# Altium PCB Master.PcbDoc (part 1 of 2)
Units mm, origin at the board's own origin, x right, y up, seen from the top; angles counter-clockwise.
Board outline 120 x 100 mm, 2 copper layers (Top Layer, Bottom Layer); 129 components, 81 nets, 454 pads, 135 vias.
Unrouted connection lines stored in the file: 6.
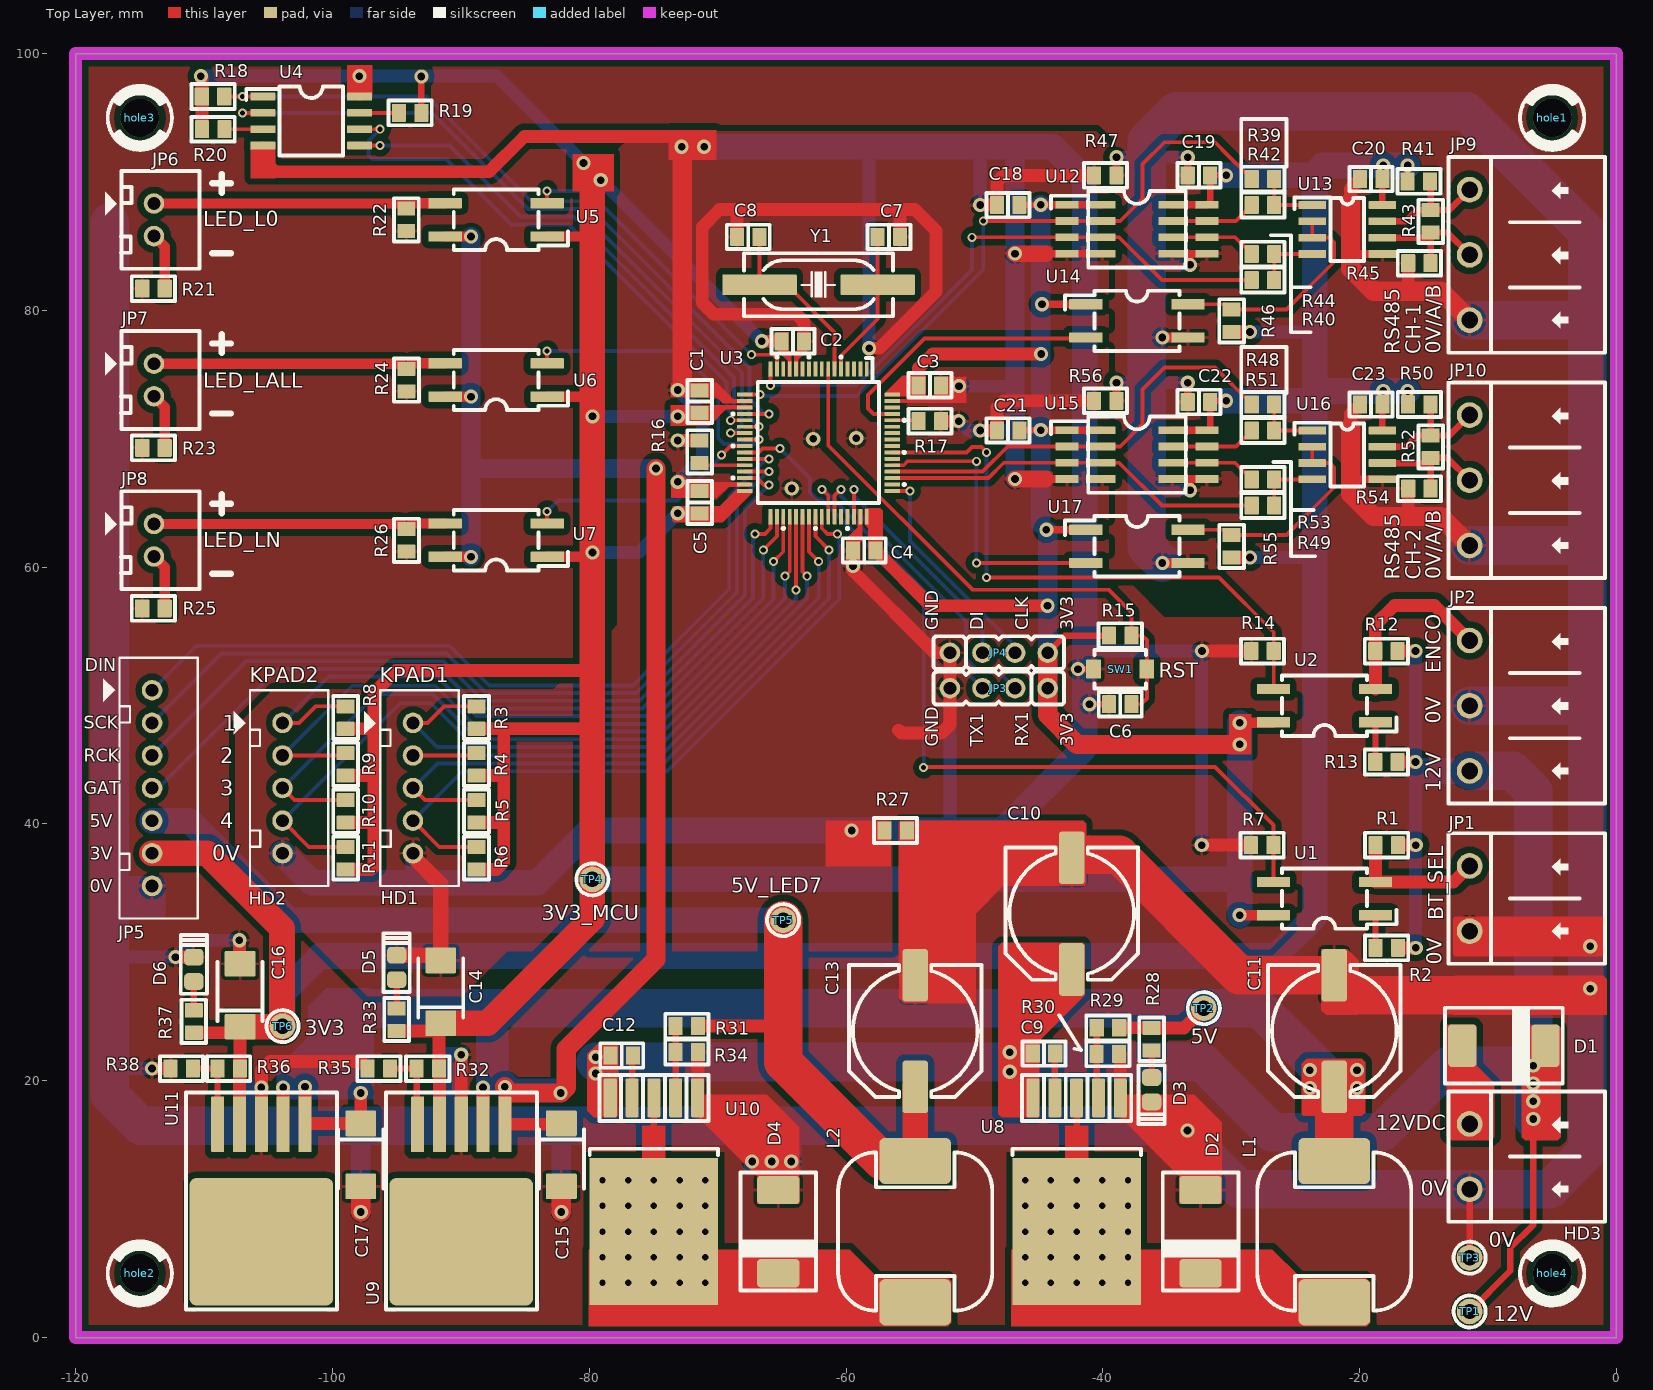
[diagram p0: Top Layer view]
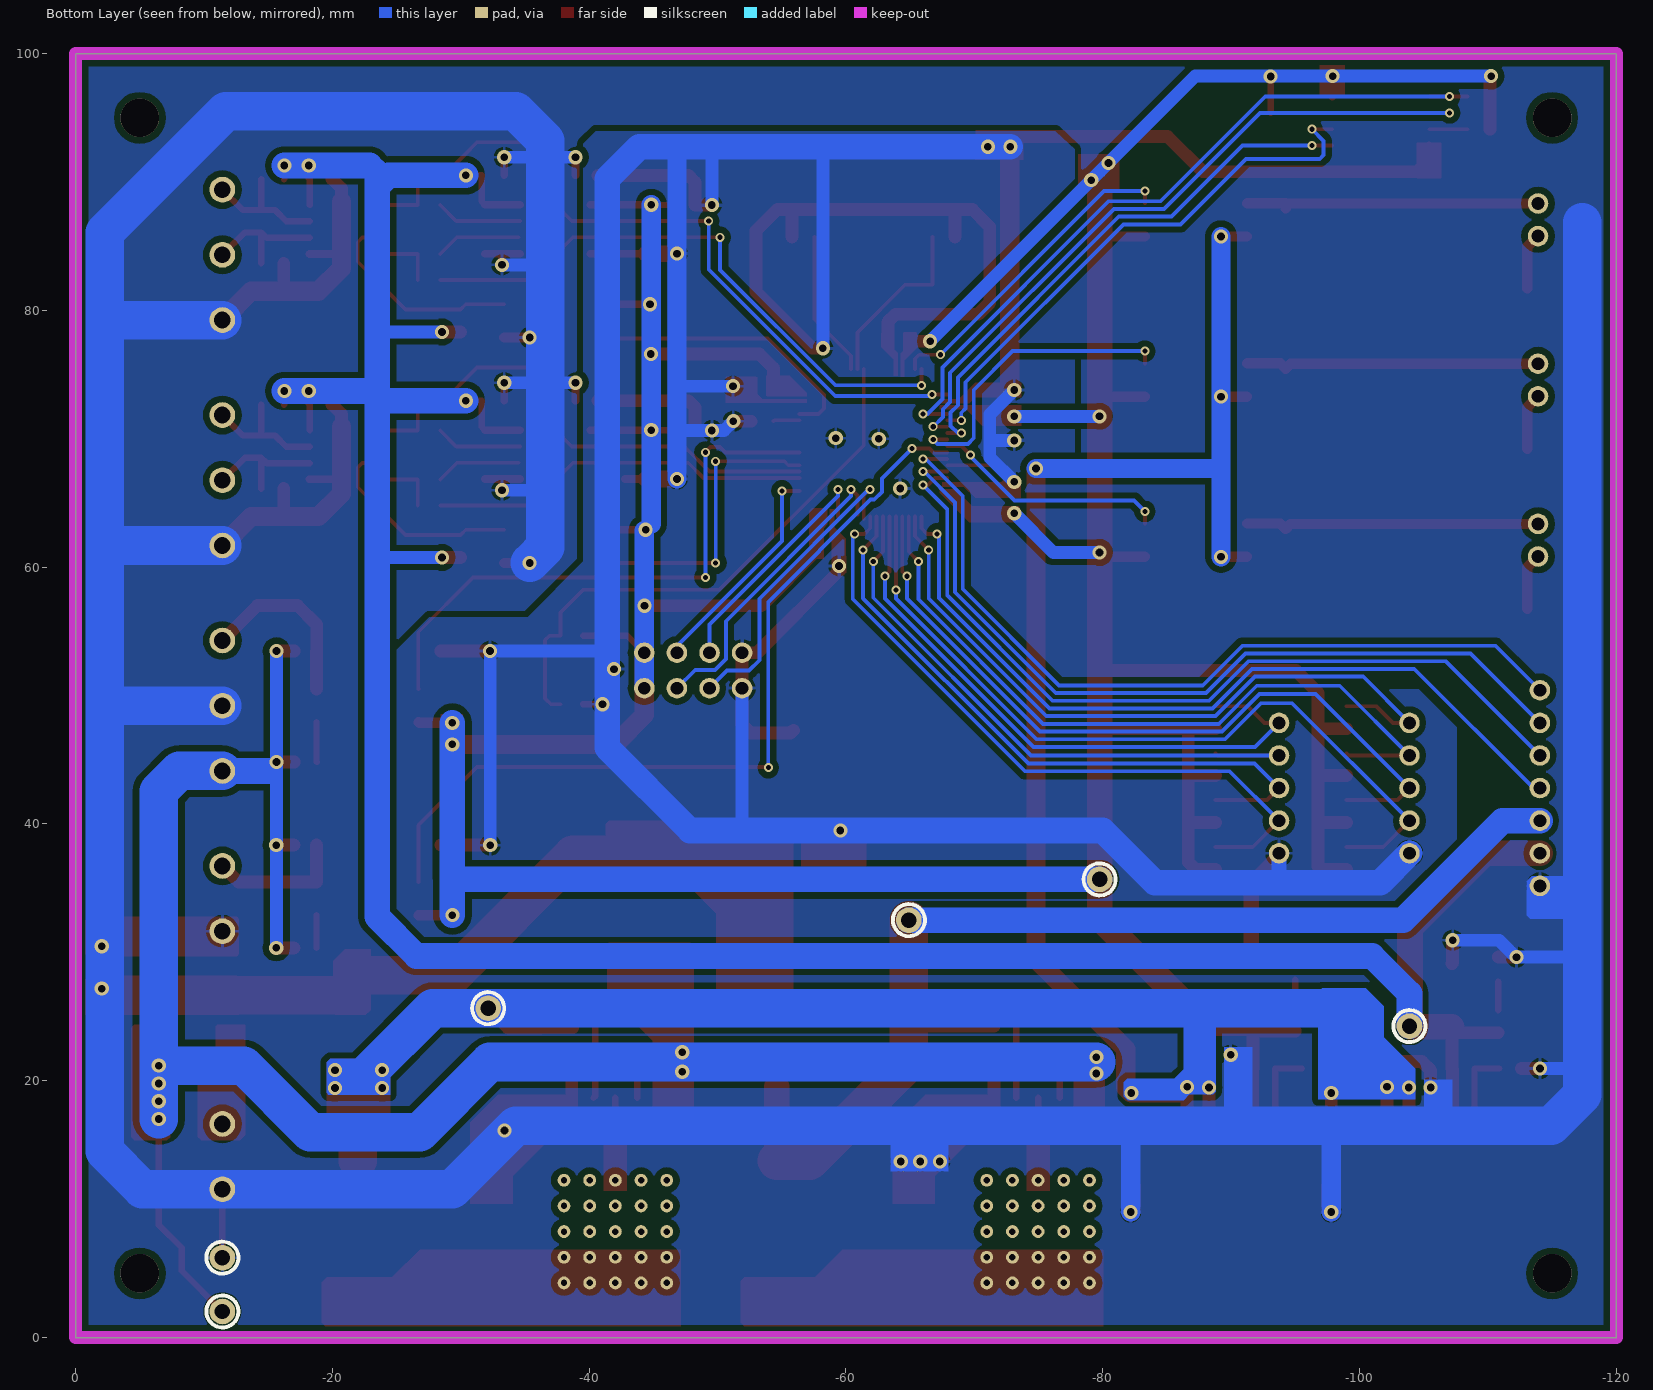
[diagram p1: Bottom Layer view, seen from below]

## Layer stack, top to bottom
Top Solder: solder mask 0.0102, Solder Resist, Dk 3.5
Top Layer: signal copper 0.0356
Dielectric 1: dielectric 0.32, FR-4, Dk 4.8
Bottom Layer: signal copper 0.0356
Bottom Solder: solder mask 0.0102, Solder Resist, Dk 3.5

## Board outline
-120,0 -120,100 0,100 0,0

## Design rules (kind name [scope] priority, off if disabled: settings)
Clearance [All] p1: gap=0.5 ignorepadtopadclearanceinfootprint=FALSE except(0.3: Arc-Arc Arc-Track Arc-SMDPad Arc-THPad Arc-Via Arc-Text Arc-Hole Track-Track Track-SMDPad Track-THPad Track-Via Track-Text Track-Hole SMDPad-SMDPad SMDPad-THPad SMDPad-Via SMDPad-Text SMDPad-Hole THPad-THPad THPad-Via THPad-Text THPad-Hole Via-Via Via-Text Via-Hole Text-Text Text-Hole)
PolygonConnect [All] p1: connectstyle=Relief reliefconductorwidth=0.254 reliefentries=4 polygonreliefangle="90 Angle" airgapwidth=0.254
RoutingVias RoutingVias_power [InNetClass('Power')] p1: holewidth=0.6 width=1.1 viastyle="Through Hole" minholewidth=0.6 minwidth=1.1 maxholewidth=0.6 maxwidth=1.1
RoutingVias RoutingVias_signal [All] p2: holewidth=0.4 width=0.7 viastyle="Through Hole" minholewidth=0.4 minwidth=0.7 maxholewidth=0.4 maxwidth=0.7
SolderMaskExpansion [All] p1: expansion=0.102 istentingtop=FALSE
Width Width_Power [InNetClass('Power')] p1: maxlimit=3 minlimit=0.3 preferedwidth=0.5
Width Width_signal [All] p2: maxlimit=0.5 minlimit=0.2 preferedwidth=0.3
30 further rules are at their usual default settings.

## Classes and differential pairs
net class Power: 3V3 3V3_MCU 5V 5V_LED7 12V BT_SEL Encoder GND_MCU GND_P LED_L0 LED_LALL LED_LN NetD1_1 NetJP6_2 NetJP7_2 NetJP8_2
component class RS485: C18 C19 C20 C21 C22 C23 JP9 JP10 R39 R40 R41 R42 R43 R44 R45 R46 R47 R48 R49 R50 R51 R52 R53 R54 R55 R56 U12 U13 U14 U15 U16 U17
component class Power: C9 C10 C11 C12 C13 C14 C15 C16 C17 D1 D2 D3 D4 D5 D6 HD3 L1 L2 R27 R28 R29 R30 R31 R32 R33 R34 R35 R36 R37 R38 TP1 TP2 TP3 TP4 TP5 TP6 U8 U9 U10 U11
component class Output: JP5 JP8 JP9 JP10 R21 R22 R23 R24 R25 R26 U5 U6 U7
component class MCU: C1 C2 C3 C4 C5 C6 C7 C8 hole1 hole2 hole3 hole4 JP3 JP4 R15 R16 R17 R18 R19 R20 SW1 U3 U4 Y1
component class Input: HD1 HD2 JP1 JP2 R1 R2 R3 R4 R5 R6 R7 R8 R9 R10 R11 R12 R13 R14 U1 U2

## Components (designator, comment, footprint, x,y, rotation, side; value= is the part's Value field where it differs from the comment)
C1 "0.1uF/25V" "Cap Ceramic 0805 SMD" -71.4,72.9 r270 top
C2 "0.1uF/25V" "Cap Ceramic 0805 SMD" -64.135,77.597 r180 top
C3 "0.1uF/25V" "Cap Ceramic 0805 SMD" -53.467,74.168 r180 top
C4 "0.1uF/25V" "Cap Ceramic 0805 SMD" -58.578,61.309 r0 top
C5 "0.1uF/25V" "Cap Ceramic 0805 SMD" -71.4,65.05 r270 top
C6 "0.1uF/25V" "Cap Ceramic 0805 SMD" -38.642,49.33 r0 top
C7 "22pF/25V" "Cap Ceramic 0805 SMD" -56.659,85.725 r180 top
C8 "22pF/25V" "Cap Ceramic 0805 SMD" -67.609,85.725 r180 top
C9 "1uF/50V" "Cap Ceramic 0805 SMD" -44.577,22.118 r0 top
C10 "220uF/50V" "CAP ALU CASE G SMD" -42.418,33.02 r90 top
C11 "680uF/16V" "CAP ALU CASE G SMD" -21.971,23.876 r90 top
C12 "1uF/50V" "Cap Ceramic 0805 SMD" -77.47,21.971 r0 top
C13 "680uF/16V" "CAP ALU CASE G SMD" -54.61,23.876 r90 top
C14 "10uF/35V/TANTA C/10%" "CAP TANT CASE C SMD" -91.567,26.924 r90 top
C15 "10uF/35V/TANTA C/10%" "CAP TANT CASE C SMD" -82.169,14.224 r270 top
C16 "10uF/35V/TANTA C/10%" "CAP TANT CASE C SMD" -107.188,26.67 r90 top
C17 "10uF/35V/TANTA C/10%" "CAP TANT CASE C SMD" -97.79,14.224 r270 top
C18 "0.1uF/25V" "Cap Ceramic 0805 SMD" -47.371,88.209 r180 top
C19 "0.1uF/25V" "Cap Ceramic 0805 SMD" -32.512,90.52 r180 top
C20 "0.1uF/25V" "Cap Ceramic 0805 SMD" -19.097,90.229 r180 top
C21 "0.1uF/25V" "Cap Ceramic 0805 SMD" -47.371,70.651 r180 top
C22 "0.1uF/25V" "Cap Ceramic 0805 SMD" -32.512,72.867 r180 top
C23 "0.1uF/25V" "Cap Ceramic 0805 SMD" -19.097,72.671 r180 top
D1 "SS54" DO-214AB/SMC -8.763,22.733 r0 top
D2 "SS54" DO-214AB/SMC -32.385,8.255 r270 top
D3 "GREEN 0805" "Led 0805G" -36.195,19.304 r270 top
D4 "SS54" DO-214AB/SMC -65.278,8.255 r270 top
D5 "GREEN 0805" "Led 0805G" -94.996,28.829 r90 top
D6 "GREEN 0805" "Led 0805G" -110.796,28.683 r90 top
HD1 "KEYPAD1" CON5 -93.726,42.799 r270 top
HD2 "KEYPAD1" CON5 -103.886,42.799 r270 top
HD3 "Header 2P" 2EDGR-5.08-02P -11.43,14.097 r270 top
hole1 "Vit 3mm" "Screw 3 small" -5,95 r0 top
hole2 "Vit 3mm" "Screw 3 small" -115,5 r0 top
hole3 "Vit 3mm" "Screw 3 small" -115,95 r0 top
hole4 "Vit 3mm" "Screw 3 small" -5,5 r0 top
JP1 "ED2609-ND" 2EDGR-5.08-02P -11.43,34.195 r270 top value="Connector 2"
JP2 "JP3" 2EDGR-5.08-03P -11.43,49.213 r270 top value="Connector 3"
JP3 "PROGRAM" Header_4 -48.102,50.578 r180 top value="Connector 4"
JP4 "PROGRAM" Header_4 -48.102,53.34 r0 top value="Connector 4"
JP5 "JP7" CON7 -114.046,42.799 r270 top value="Connector 7"
JP6 "LED5mm" CON2 -113.9,87.059 r270 top value="Connector 2"
JP7 "LED5mm" CON2 -113.9,74.581 r270 top value="Connector 2"
JP8 "LED5mm" CON2 -113.9,62.103 r270 top value="Connector 2"
JP9 "JP3" 2EDGR-5.08-03P -11.43,84.329 r270 top value="Connector 3"
JP10 "JP3" 2EDGR-5.08-03P -11.43,66.771 r270 top value="Connector 3"
L1 "12uH/47uH(ok)" "POWER INDUCTOR" -21.971,8.255 r90 top
L2 "12uH/47uH(ok)" "POWER INDUCTOR" -54.61,8.255 r90 top
R1 "10K" "Res 0805 SMD" -17.883,38.354 r0 top
R2 "1K" "Res 0805 SMD" -17.883,30.353 r0 top
R3 "10K" "Res 0805 SMD" -88.773,48.29 r270 top
R4 "10K" "Res 0805 SMD" -88.773,44.64 r270 top
R5 "10K" "Res 0805 SMD" -88.773,40.99 r270 top
R6 "10K" "Res 0805 SMD" -88.773,37.34 r270 top
R7 "10K" "Res 0805 SMD" -27.583,38.354 r0 top
R8 "10K" "Res 0805 SMD" -98.97,48.29 r270 top
R9 "10K" "Res 0805 SMD" -98.97,44.64 r270 top
R10 "10K" "Res 0805 SMD" -98.97,40.99 r270 top
R11 "10K" "Res 0805 SMD" -98.97,37.34 r270 top
R12 "10K" "Res 0805 SMD" -17.907,53.467 r0 top
R13 "1K" "Res 0805 SMD" -17.907,44.831 r0 top
R14 "10K" "Res 0805 SMD" -27.559,53.467 r0 top
R15 "10k" "Res 0805 SMD" -38.65,54.664 r180 top
R16 "10K" "Res 0805 SMD" -71.405,68.99 r90 top
R17 "10K" "Res 0805 SMD" -53.467,71.374 r180 top
R18 "10K" "Res 0805 SMD" -109.3,96.655 r180 top
R19 "200K" "Res 0805 SMD" -93.95,95.385 r180 top
R20 "10K" "Res 0805 SMD" -109.285,94.115 r0 top
R21 "300" "Res 0805 SMD" -113.938,81.7 r0 top
R22 "10K" "Res 0805 SMD" -94.25,87.067 r90 top
R23 "300" "Res 0805 SMD" -113.938,69.3 r0 top
R24 "10K" "Res 0805 SMD" -94.24,74.573 r90 top
R25 "300" "Res 0805 SMD" -113.938,56.8 r0 top
R26 "10K" "Res 0805 SMD" -94.24,62.095 r90 top
R27 "0" "Res 0805 SMD" -56.134,39.497 r0 top
R28 "1K" "Res 0805 SMD" -36.195,23.241 r90 top
R29 "10K" "Res 0805 SMD" -39.595,24.13 r0 top
R30 "3.3K" "Res 0805 SMD" -39.61,22.098 r180 top
R31 "10K" "Res 0805 SMD" -72.39,24.257 r0 top
R32 "3K3" "Res 0805 SMD" -92.569,20.955 r0 top
R33 "1K" "Res 0805 SMD" -94.996,24.765 r270 top
R34 "3.3K" "Res 0805 SMD" -72.404,22.225 r180 top
R35 "2K" "Res 0805 SMD" -96.379,20.955 r0 top
R36 "3K3" "Res 0805 SMD" -108.077,20.955 r0 top
R37 "1K" "Res 0805 SMD" -110.796,24.619 r270 top
R38 "2K" "Res 0805 SMD" -111.746,20.955 r0 top
R39 "120" "Res 0805 SMD" -27.526,90.234 r0 top
R40 "120" "Res 0805 SMD" -27.526,82.36 r0 top
R41 "2K2" "Res 0805 SMD" -15.381,90.044 r180 top
R42 "120" "Res 0805 SMD" -27.526,88.202 r0 top
R43 "120" "Res 0805 SMD" -14.463,86.944 r90 top
R44 "120" "Res 0805 SMD" -27.526,84.392 r0 top
R45 "2K2" "Res 0805 SMD" -15.338,83.679 r0 top
R46 "10K" "Res 0805 SMD" -29.972,79.193 r90 top
R47 "0" "Res 0805 SMD" -39.801,90.52 r180 top
R48 "120" "Res 0805 SMD" -27.526,72.676 r0 top
R49 "120" "Res 0805 SMD" -27.526,64.802 r0 top
R50 "2K2" "Res 0805 SMD" -15.353,72.666 r180 top
R51 "120" "Res 0805 SMD" -27.526,70.644 r0 top
R52 "120" "Res 0805 SMD" -14.463,69.386 r90 top
R53 "120" "Res 0805 SMD" -27.526,66.834 r0 top
R54 "2K2" "Res 0805 SMD" -15.338,66.121 r0 top
R55 "10K" "Res 0805 SMD" -29.972,61.635 r90 top
R56 "0" "Res 0805 SMD" -39.801,72.962 r180 top
SW1 "3x4x2.5 2Pin SMD" "Button 3x4mm" -38.642,52.063 r180 top
TP1 "2mm" "Test Point 2mm" -11.43,2.032 r0 top
TP2 "2mm" "Test Point 2mm" -32.131,25.654 r0 top
TP3 "2mm" "Test Point 2mm" -11.43,6.223 r0 top
TP4 "2mm" "Test Point 2mm" -79.756,35.687 r0 top
TP5 "2mm" "Test Point 2mm" -64.897,32.512 r0 top
TP6 "2mm" "Test Point 2mm" -103.886,24.257 r90 top
U1 "PC817-SOP4" TPC817-4SOP -22.733,34.195 r180 top
U2 "PC817-SOP4" TPC817-4SOP -22.733,49.213 r180 top
U3 "19# STM32F103R8T6" "19# STMF103R8T6" -62.134,69.691 r180 top
U4 "W25Q128FVSG SOIC-8" "1# W25Q128FV - 8SOIC 5.38mm" -101.65,94.75 r270 top
U5 "TPC817S1B-SOP4" TPC817-4SOP -87.249,87.059 r180 top
U6 "TPC817S1B-SOP4" TPC817-4SOP -87.249,74.581 r180 top
U7 "TPC817S1B-SOP4" TPC817-4SOP -87.249,62.103 r180 top
U8 "XL4015" TO-263-5P -42.037,13.462 r180 top
U9 "MIC29302-TO263" MIC29302-TO263 -89.969,12.037 r180 top
U10 "XL4015" TO-263-5P -74.962,13.462 r180 top
U11 "MIC29302-TO263" MIC29302-TO263 -105.537,12.037 r180 top
U12 "ISO7721DR SOIC 8" "ISO7721D SOIC-8 10.9mm" -37.338,86.329 r270 top
U13 "SP3485 SOIC8" "SP3485 SOIC-8 3.9mm" -20.955,86.304 r270 top
U14 "TPC817S1B-SOP4" TPC817-4SOP -37.338,79.185 r0 top
U15 "ISO7721DR SOIC 8" "ISO7721D SOIC-8 10.9mm" -37.338,68.771 r270 top
U16 "SP3485 SOIC8" "SP3485 SOIC-8 3.9mm" -20.955,68.746 r270 top
U17 "TPC817S1B-SOP4" TPC817-4SOP -37.338,61.627 r0 top
Y1 "8MHz" "CRYSTAL SMD" -62.134,82 r0 top value=26MHz

## Footprints (in the part's own frame and the unit in brackets; to place one, negate y for a bottom-side part, rotate by r counter-clockwise, add the part's x,y. Pads: shape width x height; smd on the part's side, far side on the other; paste and mask are expansions set on the pad)
"1# W25Q128FV - 8SOIC 5.38mm" [mm] "8-Pin SOIC 208 mil"
  rrect10% 0.6x1.95 smd mask+0.1: 1(-1.905,-3.775) 2(-0.635,-3.775) 3(0.635,-3.775) 4(1.905,-3.775) 5(1.905,3.775) 6(0.635,3.775) 7(-0.635,3.775) 8(-1.905,3.775)
  silkscreen extent -2.69,-5.07 2.69,2.47, body extent -2.66,-4.36 2.72,4.04, height 2.22
2EDGR-5.08-02P [mm] "Terminal Block 2 ChÃ¢n 5.08 ChÃ¢n Cong 2EDG-5.08-2P-L"
  round 2 hole 1.3 mask+0.1: 1(-2.54,0) 2(2.54,0)
  silkscreen extent -5.08,-1.66 5.08,10.54, body extent -5.08,-1.52 5.08,10.58, height 8.1
2EDGR-5.08-03P [mm] "Terminal Block 3 ChÃ¢n 5.08 ChÃ¢n Cong 3EDG-5.08-3P-L"
  round 2 hole 1.3 mask+0.1: 1(-5.08,0) 2(0,0) 3(5.08,0)
  silkscreen extent -7.62,-1.66 7.62,10.54, body extent -7.62,-1.52 7.62,10.58, height 8.1
"19# STMF103R8T6" [mm] "LQFP64 â€“ 10 x 10 mm 64 pin"
  rrect10% 0.3x1.2 smd mask+0.07: 1(-3.75,-5.75) 2(-3.25,-5.75) 3(-2.75,-5.75) 4(-2.25,-5.75) 5(-1.75,-5.75) 6(-1.25,-5.75) 7(-0.75,-5.75) 8(-0.25,-5.75) 9(0.25,-5.75) 10(0.75,-5.75) 11(1.25,-5.75) 12(1.75,-5.75) 13(2.25,-5.75) 14(2.75,-5.75) 15(3.25,-5.75) 16(3.75,-5.75) 33(3.75,5.75) 34(3.25,5.75) 35(2.75,5.75) 36(2.25,5.75) 37(1.75,5.75) 38(1.25,5.75) 39(0.75,5.75) 40(0.25,5.75) 41(-0.25,5.75) 42(-0.75,5.75) 43(-1.25,5.75) 44(-1.75,5.75) 45(-2.25,5.75) 46(-2.75,5.75) 47(-3.25,5.75) 48(-3.75,5.75)
  rrect10% 1.2x0.3 smd mask+0.07: 17(5.75,-3.75) 18(5.75,-3.25) 19(5.75,-2.75) 20(5.75,-2.25) 21(5.75,-1.75) 22(5.75,-1.25) 23(5.75,-0.75) 24(5.75,-0.25) 25(5.75,0.25) 26(5.75,0.75) 27(5.75,1.25) 28(5.75,1.75) 29(5.75,2.25) 30(5.75,2.75) 31(5.75,3.25) 32(5.75,3.75) 49(-5.75,3.75) 50(-5.75,3.25) 51(-5.75,2.75) 52(-5.75,2.25) 53(-5.75,1.75) 54(-5.75,1.25) 55(-5.75,0.75) 56(-5.75,0.25) 57(-5.75,-0.25) 58(-5.75,-0.75) 59(-5.75,-1.25) 60(-5.75,-1.75) 61(-5.75,-2.25) 62(-5.75,-2.75) 63(-5.75,-3.25) 64(-5.75,-3.75)
  silkscreen extent -6.72,-6.72 6.72,6.72, body extent -6,-6 6.02,6.04, height 1.6
"Button 3x4mm" [mm] "SMD 3x4mm"
  rrect10% 1.143x1.5 smd: 1(-2.075,0) 2(2.075,0)
  silkscreen extent -2,-1.5 2,1.5, body extent -2.25,-1.55 2.25,1.55, height 2.05
"CAP ALU CASE G SMD" [mm]
  rrect25% 4.1x2 smd mask+0.1: 1(-4.35,0) 2(4.35,0)
  silkscreen extent -5.15,-5.15 5.15,5.15, body extent -5.8,-5.15 5.88,5.15, height 10.2
"Cap Ceramic 0805 SMD" [mm] "Reflow Soldering"
  rrect10% 1.1x1.4 smd mask+0.1: 1(-0.875,0) 2(0.875,0)
  silkscreen extent -1.68,-0.95 1.68,0.95, body extent -1,-0.63 1,0.62, height 0.65
"CAP TANT CASE C SMD" [mm] "60x32mm"
  rrect10% 2x2.4 smd mask+0.1: 1(-2.45,0) 2(2.45,0)
  silkscreen extent -2,-1.75 2.6,1.75, body extent -2.99,-1.6 3.01,1.6, height 2.6
CON2 [mm] "CON2"
  round 1.6 hole 1 mask+0.1: 1(-1.27,0) 2(1.27,0)
  silkscreen extent -3.81,-3.8 3.81,3.56, body extent -3.75,-2.29 3.75,3.41, height 7
CON5 [mm] "CON5"
  round 1.6 hole 1 mask+0.1: 1(-5.08,0) 2(-2.54,0) 3(0,0) 4(2.54,0) 5(5.08,0)
  silkscreen extent -7.62,-3.8 7.62,3.56, body extent -7.5,-2.27 7.5,3.43, height 7
CON7 [mm] "CON7"
  round 1.6 hole 1 mask+0.1: 1(-7.62,0) 2(-5.08,0) 3(-2.54,0) 4(0,0) 5(2.54,0) 6(5.08,0) 7(7.62,0)
  silkscreen extent -10.16,-3.8 10.16,3.56, body extent -10.05,-2.29 10.05,3.41, height 7
"CRYSTAL SMD" [mm] "Crystal SMD"
  rrect10% 5.8x1.6 smd mask+0.1: 1(-4.6,0) 2(4.6,0)
  silkscreen extent -5.8,-2.45 5.8,2.45, body extent -6.3,-2.4 6.3,2.45, height 4
DO-214AB/SMC [mm]
  rrect25% 2.2x3.3 smd mask+0.1: 1(-3.238,0) 2(3.238,0)
  silkscreen extent -4.59,-3 4.59,2.95, body extent -4.1,-2.95 3.85,2.95, height 2.2
Header_4 [mm] "Connector DIP, 4Pin_2.54mm"
  round 1.6 hole 1 mask+0.1: 1(-3.81,0) 2(-1.27,0) 3(1.27,0) 4(3.81,0)
  silkscreen extent -5.08,-1.28 5.08,1.28, body extent -5.08,-1.27 5.08,1.27, height 10.1
"ISO7721D SOIC-8 10.9mm" [mm] "SOIC-8 10.9mm"
  rrect10% 0.6x1.8 smd mask+0.07: 1(-1.905,-5.45) 2(-0.635,-5.45) 3(0.635,-5.45) 4(1.905,-5.45) 5(1.905,5.45) 6(0.635,5.45) 7(-0.635,5.45) 8(-1.905,5.45)
  rrect10% 0.6x2.135 smd mask+0.1: 1(-1.905,-2.732) 2(-0.635,-2.732) 3(0.635,-2.732) 4(1.905,-2.732) 5(1.905,2.733) 6(0.635,2.733) 7(-0.635,2.733) 8(-1.905,2.733)
  silkscreen extent -2.98,-6.7 2.98,3.81, body extent -2.45,-3 2.45,3, height 1.75
"Led 0805G" [mm] "Chip LED; Green; Body 2.0 x 1.3 mm (LxW typ)"
  rrect50% 1.3x1.5 smd: 1(-0.95,0) 2(0.95,0)
  silkscreen extent -1.91,-1.02 2.67,1.02, body extent -1.04,-0.62 0.98,0.62, height 1.1
MIC29302-TO263 [mm] "5 Lead TO263"
  rrect10% 1.02x4.32 smd mask+0.07: 1(-3.4,-4.573) 2(-1.7,-4.573) 3(0,-4.573) 4(1.7,-4.573) 5(3.4,-4.573)
  rrect10% 11.18x9.91 smd mask+0.07: TAB(0,4.573)
  silkscreen extent -5.9,-7.04 5.86,9.86, body extent -5.13,-6.08 4.87,9.59, height 4.88
"POWER INDUCTOR" [mm]
  rrect25% 3.6x5.6 smd mask+0.1: 1(-5.5,0) 2(5.5,0)
  silkscreen extent -6.17,-6 6.17,6, body extent -6.17,-6 6.17,6, height 7.6
"Res 0805 SMD" [mm] "Reflow Soldering"
  rrect10% 1.1x1.4 smd mask+0.1: 1(-0.875,0) 2(0.875,0)
  silkscreen extent -1.69,-0.97 1.67,0.96, body extent -1,-0.62 1,0.63, height 0.62
"Screw 3 small" [mm] "Hole 3mm, outline 5mm"
  round 3 hole 3 mask+0.1: 1(0,0)
  silkscreen extent -2.5,-2.5 2.5,2.5, body extent -2.5,-2.5 2.5,2.5, height 1.73
"SP3485 SOIC-8 3.9mm" [mm] "8-Pin SOIC 3.9mm Width"
  rrect10% 0.6x2.135 smd mask+0.1: 1(-1.905,-2.732) 2(-0.635,-2.732) 3(0.635,-2.732) 4(1.905,-2.732) 5(1.905,2.733) 6(0.635,2.733) 7(-0.635,2.733) 8(-1.905,2.733)
  silkscreen extent -2.5,-4.1 2.45,1.3, body extent -2.45,-3 2.45,3, height 1.75
"Test Point 2mm" [mm]
  round 2 hole 1.2 mask+0.1: 1(0,0)
  silkscreen extent -1.25,-1.25 1.25,1.25
TO-263-5P [mm]
  rrect25% 1.016x3.05 smd mask+0.1: 1(-3.4,-5.208) 2(-1.7,-5.207) 3(0,-5.207) 4(1.7,-5.208) 5(3.4,-5.207)
  round 1 hole 0.5: 3(-4,9.207) 3(-4,5.208) 3(-4,7.208) 3(-4,1.208) 3(-4,3.207) 3(-2,9.207) 3(-2,5.208) 3(-2,7.207) 3(-2,3.207) 3(-2,1.208) 3(0,9.207) 3(0,7.208) 3(0,5.208) 3(0,1.208) 3(0,3.207) 3(2,3.207) 3(2,9.207) 3(2,5.207) 3(2,7.208) 3(2,1.208) 3(4,9.207) 3(4,3.208) 3(4,5.208) 3(4,7.208) 3(4,1.208)
  rect 10x11.43 smd mask+0.1: 3(0,5.208)
  silkscreen extent -5,-7 5,-0.76, body extent -5,-6.19 5,9.48, height 4.83
TPC817-4SOP [mm] "OPTOISO 5KV TRANS 4SOP"
  rrect10% 2.6x0.8 smd: 1(-3.975,1.295) 2(-3.975,-1.295) 3(3.975,-1.295) 4(3.975,1.295)
  silkscreen extent -5.6,-2.35 3.3,2.35, body extent -3.5,-1.92 3.5,1.93, height 2

## Part data
C1 C2 C3 C4 C5 C6 C18 C19 C20 C21 C22 C23: library part 0.1uF/25V/C0603/10%, "CAP CER 0.1UF 25V 10% X7R 0603", Capacitance=0.1ÂµF, Manufacturer="Murata Electronics North America", Manufacturer Part Number=GRM188R71E104KA01D, Operating Temperature="-55Â°C ~ 125Â°C", Package / Case="0603 (1608 Metric)", Ratings=-, Supplier Part Number 1=490-1524-1-ND, Temperature Coefficient=X7R, Tolerance=Â±10%, Voltage - Rated=25V, Applications="General Purpose", Category=Capacitors, ComponentLink1Description=http://www.murata.com/~/media/webrenewal/support/library/catalog/products/capacitor/mlcc/c02e.ashx, ComponentLink1URL=http://www.murata.com/~/media/webrenewal/support/library/catalog/products/capacitor/mlcc/c02e.ashx, Features=-, Height - Seated (Max)=-, Lead Spacing=-, Lead Style=-, Mounting Type="Surface Mount, MLCC", Packaging="Cut Tape (CT)", RoHS="RoHS Compliant", Size / Dimension="0.063\" L x 0.031\" W (1.60mm x 0.80mm)", Supplier 1=Digi-Key, Thickness (Max)="0.035\" (0.90mm)"
C7 C8: library part 22pF/50V/C0603/10%, "CAP CER 22PF 50V NP0 0603", Capacitance=22pF, Manufacturer=Kemet, Manufacturer Part Number=C0603C220K5GACTU, Operating Temperature="-55Â°C ~ 125Â°C", Package / Case="0603 (1608 Metric)", Ratings=-, Supplier Part Number 1=399-7875-1-ND, Temperature Coefficient="C0G, NP0", Tolerance=Â±10%, Voltage - Rated=50V, Applications="General Purpose", Category=Capacitors, ComponentLink1Description=http://www.kemet.com/docfinder?Partnumber=C0603C220K5GACTU, ComponentLink1URL=http://www.kemet.com/docfinder?Partnumber=C0603C220K5GACTU, Features=-, Height - Seated (Max)=-, Lead Spacing=-, Lead Style=-, Mounting Type="Surface Mount, MLCC", Packaging=Digi-ReelÂ®, RoHS="RoHS Compliant", Size / Dimension="0.063\" L x 0.031\" W (1.60mm x 0.80mm)", Supplier 1=Digi-Key, Thickness (Max)="0.034\" (0.87mm)"
C9 C12: library part "Cap Ceramic SMD", Buy Link=https://www.thegioiic.com/products/tu-1uf-50v-0805
C10 C11 C13: library part "Cap Alu SMD"
  C10: Buy Link=https://www.thegioiic.com/products/tu-nhom-smd-220uf-50v-d10l10
C14 C15 C16 C17: library part TAJB106M025RNJ, "Tantalum Capacitors - Solid SMD 25v 10uF 20%Tol Code C", Capacitance=10uF, Case/Package=1210, Case Code (Metric)=3528, ESR (Equivalent Series Resistance)=2.5R, Leakage Current=2.5uA, Manufacturer="Kyocera AVX", Max Operating Temperature=125Â°C, Min Operating Temperature=-55Â°C, Package Quantity=2000, Supplier Part Number 1=478-8887-1-ND, Tolerance=20%, Voltage Rating=25V, Buy Link=https://banlinhkien.com/tu-tantalum-106v10uf-35v-smd6032-p6650491.html, Case Code (Imperial)=1210, Depth=2.8mm, Dissipation Factor=6%, Features="General Purpose", Height=2.1mm, Height - Seated (Max)=0.083inch, Lead Free="Lead Free", Length=3.5mm, Manufacturer Part Number=TAJB106M025RNJ, Mount="Surface Mount", Packaging="Tape and Reel", Polarity=Polar, Pricing 1="1=0.74, 10=0.524, 100=0.3453, 500=0.2558, 1000=0.2174 (USD)", Stock 1=10615, Supplier 1=Digi-Key, Termination=SMD/SMT, Voltage Rating (DC)=25V, Weight=0.000564oz, Width=0.11inch
D1 D2 D4: library part "Diode Schottky"
  D2 D4: Buy Link=https://www.thegioiic.com/products/ss54-smc
D3 D5 D6: library part "LED GREEN 0603", "LED GREEN CLEAR 0603 SMD", Color=Green, Current - Test=20mA, Lens Color=Colorless, Manufacturer="Lite-On Inc.", Manufacturer Part Number=LTST-C190KGKT, Millicandela Rating=35mcd, Package / Case="0603 (1608 Metric)", Supplier Part Number 1=160-1435-1-ND, Voltage - Forward (Vf) (Typ)=2V, Buy Link=https://www.thegioiic.com/products/led-do-0805, Category=Optoelectronics, ComponentLink1Description=http://optoelectronics.liteon.com/upload/download/DS22-2000-074/S_110_LTST-C190KGKT.pdf, ComponentLink1URL=http://optoelectronics.liteon.com/upload/download/DS22-2000-074/S_110_LTST-C190KGKT.pdf, Features=-, Height (Max)=0.80mm, Lens Style/Size="Rectangle with Flat Top, 1.10mm x 0.80mm", Lens Transparency=Clear, Mounting Type="Surface Mount", Packaging="Cut Tape (CT)", RoHS="RoHS Compliant", Size / Dimension="1.60mm L x 0.80mm W", Supplier 1=Digi-Key, Viewing Angle=130Â°, Wavelength - Dominant=571nm, Wavelength - Peak=574nm
HD1 HD2: library part Header5, "Header 5", Creat by=VanDungEvn@Gmail.com
JP1: library part Con2, "2 Position Wire to Board Terminal Block Horizontal with Board 0.200\" (5.08mm) Through Hole", Digikey=ED2609-ND
JP2 JP9 JP10: library part Con3, "Connector 3"
JP3 JP4: library part Con4, "Connector 4"
JP5: library part Con7, "Connector 7"
JP6 JP7 JP8: library part Con2, "Connector 2"
L1 L2: library part "Power Inductor", "CDRH127", Buy Link=https://www.thegioiic.com/products/cuon-cam-12uh-rh127-smd-12x12x7
R1 R12 R16 R17 R18 R20: library part 10K/R0603/1%, "RES SMD 10K OHM 1% 1/10W 0603", Manufacturer=Yageo, Manufacturer Part Number=RC0603FR-0710KL, Operating Temperature="-55Â°C ~ 155Â°C", Package / Case="0603 (1608 Metric)", Power (Watts)="0.1W, 1/10W", Resistance (Ohms)=10k, Supplier Device Package=0603, Supplier Part Number 1=311-10.0KHRTR-ND, Temperature Coefficient=Â±100ppm/Â°C, Tolerance=Â±1%, Category=Resistors, ComponentLink1Description=http://www.yageo.com/NewPortal/yageodocoutput?fileName=/pdf/R-Chip/PYu-RC_Group_51_RoHS_L_3.pdf, ComponentLink1URL=http://www.yageo.com/NewPortal/yageodocoutput?fileName=/pdf/R-Chip/PYu-RC_Group_51_RoHS_L_3.pdf, Composition="Thick Film", Features="Moisture Resistant", Height="0.022\" (0.55mm)", Number of Terminations=2, Packaging="Tape & Reel (TR)", Pricing 1="5000=0.00167, 10000=0.00145, 25000=0.00128, 50000=0.00117, 125000=0.00115 (USD)", RoHS="RoHS Compliant", Size / Dimension="0.063\" L x 0.031\" W (1.60mm x 0.80mm)", Stock 1=11440000, Supplier 1=Digi-Key
  R1 R12 R16 R17: Buy Link=https://www.thegioiic.com/products?utf8=%E2%9C%93&search=%C4%91i%E1%BB%87n+tr%E1%BB%9F+0805
R2 R13: library part 10K/R0603/1%, "1 kOhms Â±1% 0.125W, 1/8W Chip Resistor 0805 (2012 Metric) Automotive AEC-Q200 Thick Film", Operating Temperature="-55Â°C ~ 155Â°C", Package / Case="0603 (1608 Metric)", Power (Watts)="0.1W, 1/10W", Resistance (Ohms)=10k, Supplier Device Package=0603, Buy Link=https://www.thegioiic.com/products?utf8=%E2%9C%93&search=%C4%91i%E1%BB%87n+tr%E1%BB%9F+0805, Category=Resistors, ComponentLink1Description=http://www.yageo.com/NewPortal/yageodocoutput?fileName=/pdf/R-Chip/PYu-RC_Group_51_RoHS_L_3.pdf, ComponentLink1URL=http://www.yageo.com/NewPortal/yageodocoutput?fileName=/pdf/R-Chip/PYu-RC_Group_51_RoHS_L_3.pdf, Digikey=541-1.00KCCT-ND, Features="Moisture Resistant", Height="0.022\" (0.55mm)", Number of Terminations=2, RoHS="RoHS Compliant", Size / Dimension="0.063\" L x 0.031\" W (1.60mm x 0.80mm)"
R3 R4 R5 R6 R7 R8 R9 R10 R11 R14 R21 R22 R23 R24 R25 R26 R39 R40 R41 R42 R43 R44 R45 R46 R47 R48 R49 R50 R51 R52 R53 R54 R55 R56: library part 249K/R0805/1%, "RES SMD 249K OHM 1% 1/10W 0805", Manufacturer=Yageo, Manufacturer Part Number=RC0603FR-07249KL, Operating Temperature="-55Â°C ~ 155Â°C", Package / Case="0603 (1608 Metric)", Power (Watts)="0.1W, 1/10W", Supplier Device Package=0603, Temperature Coefficient=Â±100ppm/Â°C, Tolerance=Â±1%, Category=Resistors, ComponentLink1Description=http://www.yageo.com/documents/recent/PYu-RC_Group_51_RoHS_L_8.pdf, ComponentLink1URL=http://www.yageo.com/documents/recent/PYu-RC_Group_51_RoHS_L_8.pdf, Composition="Thick Film", Failure Rate=-, Features="Moisture Resistant", Height - Seated (Max)="0.022\" (0.55mm)", Packaging="Cut Tape (CT)", Part Status=Active, Pricing 1="1=0.1, 10=0.015, 100=0.006, 1000=0.00268, 2500=0.00233 (USD)", RoHS="RoHS Compliant", Size / Dimension="0.063\" L x 0.032\" W (1.60mm x 0.80mm)", Stock 1=370515, Supplier 1=Digi-Key
  R3 R4 R5 R6 R7 R8 R9 R10 R11 R14: Buy Link=https://www.thegioiic.com/products?utf8=%E2%9C%93&search=%C4%91i%E1%BB%87n+tr%E1%BB%9F+0805
R15: library part 10K/R0603/1%, "RES SMD 10K OHM 1% 1/10W 0603", Manufacturer=Yageo, Manufacturer Part Number=RC0603FR-0710KL, Operating Temperature="-55Â°C ~ 155Â°C", Package / Case="0603 (1608 Metric)", Power (Watts)="0.1W, 1/10W", Supplier Device Package=0603, Supplier Part Number 1=311-10.0KHRTR-ND, Temperature Coefficient=Â±100ppm/Â°C, Tolerance=Â±1%, Buy Link=https://www.thegioiic.com/products?utf8=%E2%9C%93&search=%C4%91i%E1%BB%87n+tr%E1%BB%9F+0805, Category=Resistors, ComponentLink1Description=http://www.yageo.com/NewPortal/yageodocoutput?fileName=/pdf/R-Chip/PYu-RC_Group_51_RoHS_L_3.pdf, ComponentLink1URL=http://www.yageo.com/NewPortal/yageodocoutput?fileName=/pdf/R-Chip/PYu-RC_Group_51_RoHS_L_3.pdf, Composition="Thick Film", Features="Moisture Resistant", Height="0.022\" (0.55mm)", Number of Terminations=2, Packaging="Tape & Reel (TR)", Pricing 1="5000=0.00167, 10000=0.00145, 25000=0.00128, 50000=0.00117, 125000=0.00115 (USD)", Resistance (Ohms)=10k, RoHS="RoHS Compliant", Size / Dimension="0.063\" L x 0.031\" W (1.60mm x 0.80mm)", Stock 1=11440000, Supplier 1=Digi-Key
R19: library part 200K/R0603/1%, "RES SMD 200K OHM 1% 1/10W 0603", Manufacturer=Yageo, Manufacturer Part Number=RC0603FR-07200KL, Operating Temperature="-55Â°C ~ 155Â°C", Package / Case="0603 (1608 Metric)", Power (Watts)="0.1W, 1/10W", Supplier Device Package=0603, Supplier Part Number 1=311-200KHRCT-ND, Temperature Coefficient=Â±100ppm/Â°C, Tolerance=Â±1%, Category=Resistors, ComponentLink1Description=http://www.yageo.com/documents/recent/PYu-RC_Group_51_RoHS_L_7.pdf, ComponentLink1URL=http://www.yageo.com/documents/recent/PYu-RC_Group_51_RoHS_L_7.pdf, Composition="Thick Film", Failure Rate=-, Features="Moisture Resistant", Height - Seated (Max)="0.022\" (0.55mm)", Packaging="Cut Tape (CT)", Part Status=Active, Pricing 1="1=0.1, 10=0.015, 100=0.006, 1000=0.00268, 2500=0.00233 (USD)", RoHS="RoHS Compliant", Size / Dimension="0.063\" L x 0.031\" W (1.60mm x 0.80mm)", Stock 1=924437, Supplier 1=Digi-Key
R27 R28 R29 R30 R31 R33 R34 R37: library part Resistor, "Resistor", Buy Link=https://www.thegioiic.com/products?utf8=%E2%9C%93&search=%C4%91i%E1%BB%87n+tr%E1%BB%9F+0805
R32 R35 R36 R38: library part R0805, "Resistor SMD 0805", LatestRevisionDate=17-Jul-2002, LatestRevisionNote="Re-released for DXP Platform.", PackageReference=AXIAL-0.4, Published=8-Jun-2000, Publisher="Altium Limited"
SW1: library part "BUTTON 2-SMD RS-282G05A3", Contact Rating @ Voltage="0.05A @ 12VDC", Illumination Type, Color=-, Manufacturer="C&K Components", Manufacturer Part Number="RS-282G05A3-SM RT", Operating Force=250gf, Supplier Part Number 1=CKN10384CT-ND, Actuator Height off PCB, from Pins=2.50mm, Actuator Material="Polyamide (PA), Nylon", Actuator Orientation="Top Actuated", Actuator Type="Rectangular Button", Buy Link=https://thegioiic.com/products/nut-nhan-3x4x2-5-2pin-smd, Category=Switches, Circuit=SPST-NO, ComponentLink1Description=http://media.digikey.com/pdf/Data%20Sheets/C&K/RS-282G05A-SM_RT.pdf, ComponentLink1URL=http://media.digikey.com/pdf/Data%20Sheets/C&K/RS-282G05A-SM_RT.pdf, Features=-, Illumination=Non-Illuminated, Illumination Voltage (Nominal)=-, Ingress Protection=-, Mechanical Life="50,000 Cycles", Mounting Type="Surface Mount", Operating Temperature=-, Outline="6.00mm x 3.60mm", Packaging="Cut Tape (CT)", Part Status=Active, RoHS="RoHS Compliant", Supplier 1=Digi-Key, Switch Function=Off-Mom, Switch Travel=0.25mm, Termination Style="Gull Wing"
TP1 TP2 TP3 TP4 TP5 TP6: library part "Test Point", "Test Point SMD"
U1 U2 U5 U6 U7 U14 U17: library part PC817, "Optoisolator Transistor Output 5000Vrms 1 Channel 4-SOP", Digikey=TPC817S1BRAGCT-ND
  U1 U2: BuyVN=https://banlinhkien.vn/goods-1134-pc817-el817-sop4-opto.html
U3: "STM32 ARM-based 32-bit MCU with ARM 32-bit Cortex-M3 Microcontroller, 64 Kbytes Flash, 64-pin LQFP, Industrial Temperature", Case/Package="LQFP - 64", Supplier Part Number 1=STM32F103R8T6, ADC=3, ARM Core="Cortex M3", Buy Link=https://thegioiic.com/products/stm32f103r8t6, CAN 2.0=1, ComponentLink1Description="Manufacturer Link", ComponentLink1URL=www.st.com/stm32, ComponentLink2Description=Datasheet, ComponentLink2URL=http://www.st.com/stonline/products/literature/ds/13587.pdf, DAC=2, DatasheetVersion="rev6, Mar-2008", I2C=2, PackageDescription="64-Pin Low-Profile Quad Flat Pack, 10 x 10 mm Body, 0.5 mm Pitch (LQFP64)", PackageReference=LQFP64, PackageVersion=Mar-2008, Published=30-May-2008, Publisher="Altium Limited", SPI/I2S=3, Supplier 1="Future Electronics", UART=5, USB 2.0=1
U4: library part "1# W25Q128FVSG SOIC-8"
U8 U10: "TO-263 5P", Buy Link=https://thegioiic.com/products/xl4015
U9 U11: library part MIC29302, "MIC29302 TO263 / High-Current Low-Dropout Regulators", Buy Link=https://thegioiic.com/products/mic29302
U12 U15: "ISO772x High-Speed, Robust EMC, Reinforced Dual-Channel Digital Isolators"
Y1: library part "Crystal SMD FA-128 26MHz", "8MHz SMD", ComponentLink1Description=Datasheet, ComponentLink1URL="D:\Dropbox\Datasheets\Passive Components\Crystals\HC49S.pdf", Unit Price=0.0440

## Via types
v1: diameter 1.1, hole 0.6, Top Layer to Bottom Layer, 82 vias
v2: diameter 0.7, hole 0.4, Top Layer to Bottom Layer, tented both sides, 26 vias
v3: diameter 0.7, hole 0.4, Top Layer to Bottom Layer, 14 vias
v4: diameter 1.1, hole 0.6, Top Layer to Bottom Layer, tented both sides, 13 vias

## Nets (pads, with @x,y where several pads share a name; then routed paths per layer and width w, separated by ;. In a path a pad name is that pad's centre, name@x,y a point inside that pad or via, vN(x,y) a via of type N, cw(c..) or ccw(c..) an arc to the next point about the centre after c; other vN are vias at no path point)
3V3: C16.1 C19.1 C20.1 C22.1 C23.1 JP5.6 R36.2 R37.2 R41.2 R46.1 R50.2 R55.1 TP6.1 U11.4 U12.8 U13.8 U15.8 U16.8 | length 241.5
  Top Layer w0.5: U15.8@-31.888,70.676 -31.637,70.927 C22.1@-31.637,72.867 -31.637,72.962 v1(-30.392,72.962) ; U12.8@-31.888,88.234 -31.637,88.485 C19.1@-31.637,90.52 v1(-30.392,90.52) ; U16.8@-18.222,70.651 C23.1@-18.222,72.671 -18.161,72.733 v1(-18.161,73.724) ; U13.8@-18.222,88.209 C20.1@-18.222,90.229 -18.161,90.291 v1(-18.161,91.282) ; v1(-16.256,73.724) -16.256,72.694 R50.2@-16.228,72.666 ; v1(-16.256,91.282) -16.256,90.252 R41.2@-16.228,90.224
  Top Layer w0.6: U15.8@-34.605,70.676 U15.8@-31.888,70.676 ; U12.8@-34.605,88.234 U12.8@-31.888,88.234
  Top Layer w1: R37.2@-110.796,23.744 -107.664,23.744 -107.202,24.206 R36.2@-107.202,20.955 -107.237,20.92 U11.4@-107.237,16.61 ; R55.1@-29.972,60.76 v1(-28.534,60.76) ; R46.1@-29.972,78.318 v1(-28.534,78.318)
  Top Layer w2: JP5.6@-114.046,37.719 -109.769,37.719 -103.923,31.873 TP6.1@-103.923,24.22 ; C16.1@-107.188,24.22 TP6.1@-103.923,24.22 ; TP6.1@-103.886,24.257 TP6.1@-103.923,24.22
  Bottom Layer w1: v1(-28.534,60.76) -23.676,60.76 -23.495,60.579 ; v1(-28.534,78.318) -23.536,78.318
  Bottom Layer w2: TP6.1@-103.886,24.257 -103.886,26.797 -100.965,29.718 -26.543,29.718 -23.495,32.766 -23.495,60.579 -23.495,73.533 ; v1(-30.392,72.962) -24.066,72.962 -23.495,73.533 ; v1(-30.392,90.52) -24.353,90.52 -23.495,89.662 ; -23.536,78.318 -23.495,78.359 ; v1(-16.256,73.724) v1(-18.161,73.724) -23.304,73.724 -23.495,73.533 ; v1(-16.256,91.282) v1(-18.161,91.282) -22.891,91.282 -23.495,90.678 -23.495,89.662 ; -23.495,73.533 -23.495,78.359 ; -23.495,78.359 -23.495,89.662
3V3_MCU: C1.2 C2.2 C3.2 C4.2 C5.2 C14.1 C18.1 C21.1 JP3.1 JP4.4 R3.2 R4.2 R5.2 R6.2 R8.2 R9.2 R10.2 R11.2 R15.2 R18.2 R19.1 R20.1 R32.2 R33.2 TP4.1 U1.4 U2.4 U3.13 U3.19 U3.32 U3.48 U3.64 U4.8 U5.1 U6.1 U7.1 U9.4 U12.1 U14.1 U15.1 U17.1 | length 418
  Top Layer w0.5: v1(-97.9,98.25) v1@-97.875,98.225 ; R19.1@-93.075,95.385 v1(-93.075,98.225) ; -79.8,47.415 -79.756,47.371 ; C21.1@-46.496,70.651 -45.082,70.651 v1@-44.944,70.789 ; C18.1@-46.496,88.209 -45.082,88.209 v1@-44.944,88.347 ; JP4.4@-44.292,53.34 -42.968,54.664 R15.2@-39.525,54.664
  Top Layer w0.6: U4.8@-97.875,96.655 v1@-97.875,98.225 ; v1@-44.944,70.789 v1(-44.831,70.676) U15.1@-42.788,70.676 U15.1@-40.07,70.676 ; v1@-44.944,88.347 v1(-44.831,88.234) U12.1@-42.788,88.234 U12.1@-40.07,88.234 ; v1(-44.742,80.48) U14.1@-41.313,80.48 ; v1(-44.393,62.922) U17.1@-41.313,62.922
  Top Layer w0.8: U7.1@-83.274,60.808 v1@-79.781,60.808 ; U6.1@-83.274,73.286 -79.876,73.286 -79.756,73.406 ; U5.1@-83.274,85.764 -79.77,85.764 -79.756,85.75 ; v1(-29.344,32.9) U1.4@-26.708,32.9 ; v1(-29.337,47.879) -26.747,47.879 U2.4@-26.708,47.918
  Top Layer w1: v1(-110.25,98.25) -110.16,98.16 R20.1@-110.16,94.115 ; R11.2@-98.97,36.465 -97.012,36.465 -96.774,36.703 -96.774,47.498 ; R10.2@-98.97,40.115 -96.857,40.115 ; R9.2@-98.97,43.765 -96.857,43.765 ; R8.2@-98.97,47.415 -96.857,47.415 -96.774,47.498 ; R33.2@-94.996,23.89 -92.151,23.89 C14.1@-91.694,24.347 ; U9.4@-91.669,16.61 -91.669,20.93 R32.2@-91.694,20.955 C14.1@-91.694,24.347 ; C14.1@-91.567,24.474 C14.1@-91.694,24.347 ; R6.2@-88.773,36.465 -87.233,36.465 -86.66,37.038 -86.66,40.115 ; R5.2@-88.773,40.115 -86.66,40.115 ; R4.2@-88.773,43.765 -86.66,43.765 ; R3.2@-88.773,47.415 -86.66,47.415 ; -79.8,47.415 -86.66,47.415 ; -79.756,51.943 -95.042,51.943 -96.774,50.211 -96.774,47.498 ; v4(-66.553,77.597) C2.2@-65.01,77.597 ; C4.2@-57.703,61.309 -53.394,57 v1(-44.3,57) ; C3.2@-54.342,74.168 -54.342,75.508 -53.25,76.6 v1(-44.8,76.6) ; -86.66,40.115 -86.66,43.765 ; -86.66,43.765 -86.66,47.415
  Top Layer w1.5: JP4.4@-44.292,53.34 JP3.1@-44.292,50.578 -44.292,48.492 -42,46.2 v1(-29.337,46.2) v1@-29.25,46.2
  Top Layer w2: C14.1@-91.567,24.474 -87.921,24.474 -79.756,32.639 -79.756,47.371 -79.756,51.943 v1@-79.756,60.833 ; -79.77,85.764 -79.77,90.814 ; v1@-79.756,61.15 -79.756,73.406 -79.756,85.75
  Bottom Layer w1: v1(-110.25,98.25) v1(-97.9,98.25) -87.206,98.25 -79.77,90.814 v4(-66.553,77.597) ; v1(-79.75,61.15) -76.15,61.15 v4(-73.1,64.2) ; v1(-79.75,71.75) v4(-73.1,71.75)
  Bottom Layer w1.5: -44.831,63.373 v1(-44.831,70.676) v1(-44.831,88.234) ; JP3.1@-44.292,50.578 JP4.4@-44.292,53.34 ; JP4.4@-44.292,53.34 v1@-44.292,62.834
  Bottom Layer w2: TP4.1@-79.756,35.687 -29.344,35.687 ; v1(-29.344,32.9) -29.344,35.687 ; v1(-29.337,47.879) v1(-29.337,46.2) -29.337,35.694 -29.344,35.687
  other v1: -79.1,90.15 -80.44,91.478
5V: C11.1 C15.1 C17.1 L1.2 R28.2 R29.2 TP2.1 U5.4 U6.4 U7.4 U9.1 U9.2 U11.1 U11.2 | length 216.8
  Top Layer w0.8: U7.4@-91.224,60.808 v1(-89.214,60.808) ; U6.4@-91.224,73.286 v1(-89.214,73.286) ; U5.4@-91.224,85.764 v1(-89.214,85.764)
  Top Layer w1: U11.2@-103.837,16.61 v1(-103.837,19.48) ; v1(-102.137,19.529) U11.1@-102.137,16.61 -102.073,16.674 C17.1@-97.79,16.674 v1(-97.79,19.05) ; U9.2@-88.269,16.61 v1(-88.269,19.48) ; v1(-86.569,19.529) U9.1@-86.569,16.61 ; U9.1@-86.505,16.674 U9.1@-86.569,16.61 ; C15.1@-82.169,16.674 -82.233,16.61 U9.1@-86.569,16.61 ; R29.2@-38.72,24.13 -36.209,24.13 R28.2@-36.195,24.116 -33.669,24.116 TP2.1@-32.131,25.654
  Top Layer w1.5: v1(-86.569,19.529) -86.09,19.05 v1(-82.223,19.05) -81.788,19.485 -81.788,22.479 -74.803,29.464 v1(-74.803,67.691)
  Top Layer w3: L1.2@-21.971,13.755 C11.1@-21.971,19.526
  Bottom Layer w1: v1@-102.186,19.48 v1(-102.137,19.529) ; TP2.1@-32.131,25.654 TP2.1@-32.004,25.781
  Bottom Layer w1.5: v1(-89.214,60.808) -89.214,67.9 ; v1(-89.214,85.764) v1(-89.214,73.286) -89.214,67.9 ; v1(-74.803,67.691) -89.005,67.691 -89.214,67.9
  Bottom Layer w3: -99.441,25.654 TP2.1@-32.131,25.654 -27.813,25.654 -22.606,20.447
  other v1: -23.876,19.431 -20.193,19.431 -23.876,20.828 -20.193,20.828
5V_LED7: C13.1 JP5.5 L2.2 R31.2 TP5.1 | length 89.3
  Top Layer w1: R31.2@-71.515,24.257 -65.024,24.257 -64.897,24.13
  Top Layer w2: L2.2@-54.61,13.755 C13.1@-54.61,19.526
  Top Layer w3: TP5.1@-64.897,32.512 -64.897,24.13 -64.897,21.463 -57.189,13.755 L2.2@-54.61,13.755
  Bottom Layer w2: JP5.5@-114.046,40.259 -111.125,40.259 -103.378,32.512 TP5.1@-64.897,32.512
7SEG_DIN: JP5.1 U3.27 | length 64.2
  Top Layer w0.3: U3.27@-67.884,68.441 v2(-66,68.441)
  Bottom Layer w0.3: JP5.1@-114.046,50.419 -110.584,53.881 -90.867,53.881 -87.786,50.8 -76.589,50.8 -69.091,58.298 -69.091,65.559 -66.209,68.441 v2(-66,68.441)
7SEG_GATE: JP5.4 U3.33 | length 62.8
  Top Layer w0.3: v2(-67.091,62.6) -66.318,62.6 -65.884,63.034 U3.33@-65.884,63.941
  Bottom Layer w0.3: JP5.4@-114.046,42.799 -113.538,42.799 -104.256,52.081 -91.613,52.081 -88.532,49 -75.844,49 -67.25,57.594 -67.25,62.441 v2(-67.091,62.6)
7SEG_RCLK: JP5.3 U3.30 | length 65.4
  Top Layer w0.3: U3.30@-67.884,66.941 -66.941,66.941 -66.4,66.4 v2(-66,66.4)
  Bottom Layer w0.3: JP5.3@-114.046,45.339 -106.704,52.681 -91.364,52.681 -88.283,49.6 -76.092,49.6 -67.891,57.801 -67.891,64.509 v2(-66,66.4)
7SEG_SRCLK: JP5.2 U3.29 | length 64.7
  Top Layer w0.3: U3.29@-67.884,67.441 v2(-66,67.441)
  Bottom Layer w0.3: JP5.2@-114.046,47.879 -108.644,53.281 -91.116,53.281 -88.035,50.2 -76.341,50.2 -68.491,58.05 -68.491,65.04 -66.09,67.441 v2(-66,67.441)
12V: C9.1 C10.1 C12.1 D1.2 JP2.3 R1.2 R2.2 R12.2 R13.2 TP1.1 U8.5 U10.5 | length 158.8
  Top Layer w0.5: TP1.1@-11.43,2.032 -8.255,5.207 -8.255,6.985 -6.477,8.763 v1(-6.477,17.018)
  Top Layer w1: R13.2@-17.032,44.831 v1(-15.649,44.831) ; R12.2@-17.032,53.467 v1(-15.649,53.467) ; R2.2@-17.008,30.353 v1(-15.625,30.353) ; R1.2@-17.008,38.354 v1(-15.625,38.354)
  Bottom Layer w1: v1(-15.649,53.467) v1(-15.649,44.831) ; v1(-15.625,30.353) -15.649,30.377 v1(-15.649,44.831) ; -14.951,44.133 v1(-15.649,44.831)
  Bottom Layer w2: -14.951,44.133 JP2.3@-11.43,44.133
  Bottom Layer w3: v1@-79.502,21.463 -47.244,21.463 -32.263,21.463 -26.802,16.002 -18.288,16.002 -13.11,21.18 v1(-6.477,21.18) ; JP2.3@-11.43,44.133 -8.065,44.133 -6.477,42.545 v1(-6.477,21.18) ; v1(-6.477,17.018) v1(-6.477,18.405) v1(-6.477,19.793) v1(-6.477,21.18)
  other v1: -79.502,20.574 -47.244,20.701 -79.502,21.844 -47.244,22.225
BT_SEL: JP1.1 R1.1 U1.2 | length 10.7
  Top Layer w1: R1.1@-18.758,38.354 U1.2@-18.758,35.49 -12.675,35.49 JP1.1@-11.43,36.735
control2: R46.2 U13.2 U13.3 U14.4 | length 17.8
  Top Layer w0.3: U14.4@-33.363,80.48 -30.385,80.48 R46.2@-29.972,80.067 -25.693,80.067 -21.971,83.789 -21.971,85.313 -22.327,85.669 U13.3@-23.687,85.669 U13.2@-23.687,86.939
control4: R55.2 U16.2 U16.3 U17.4 | length 17.8
  Top Layer w0.3: U17.4@-33.363,62.922 -30.385,62.922 R55.2@-29.972,62.509 -25.693,62.509 -21.971,66.231 -21.971,67.755 -22.327,68.111 U16.3@-23.687,68.111 U16.2@-23.687,69.381
Encoder: JP2.1 R12.1 U2.2 | length 14.1
  Top Layer w1: U2.2@-18.758,50.508 -18.758,53.443 R12.1@-18.782,53.467 -18.782,55.513 -17.272,57.023 -14.16,57.023 JP2.1@-11.43,54.293